# Altium PCB HYDRA_V4_POWER.PcbDoc (part 1 of 2)
Units mm, origin at the board's own origin, x right, y up, seen from the top; angles counter-clockwise.
Board outline 50.15 x 44.15 mm, 4 copper layers (Top Layer, GND+SIG, PWR+SIG, Bottom Layer), stack 1.586 mm thick; 220 components, 163 nets, 791 pads, 264 vias.
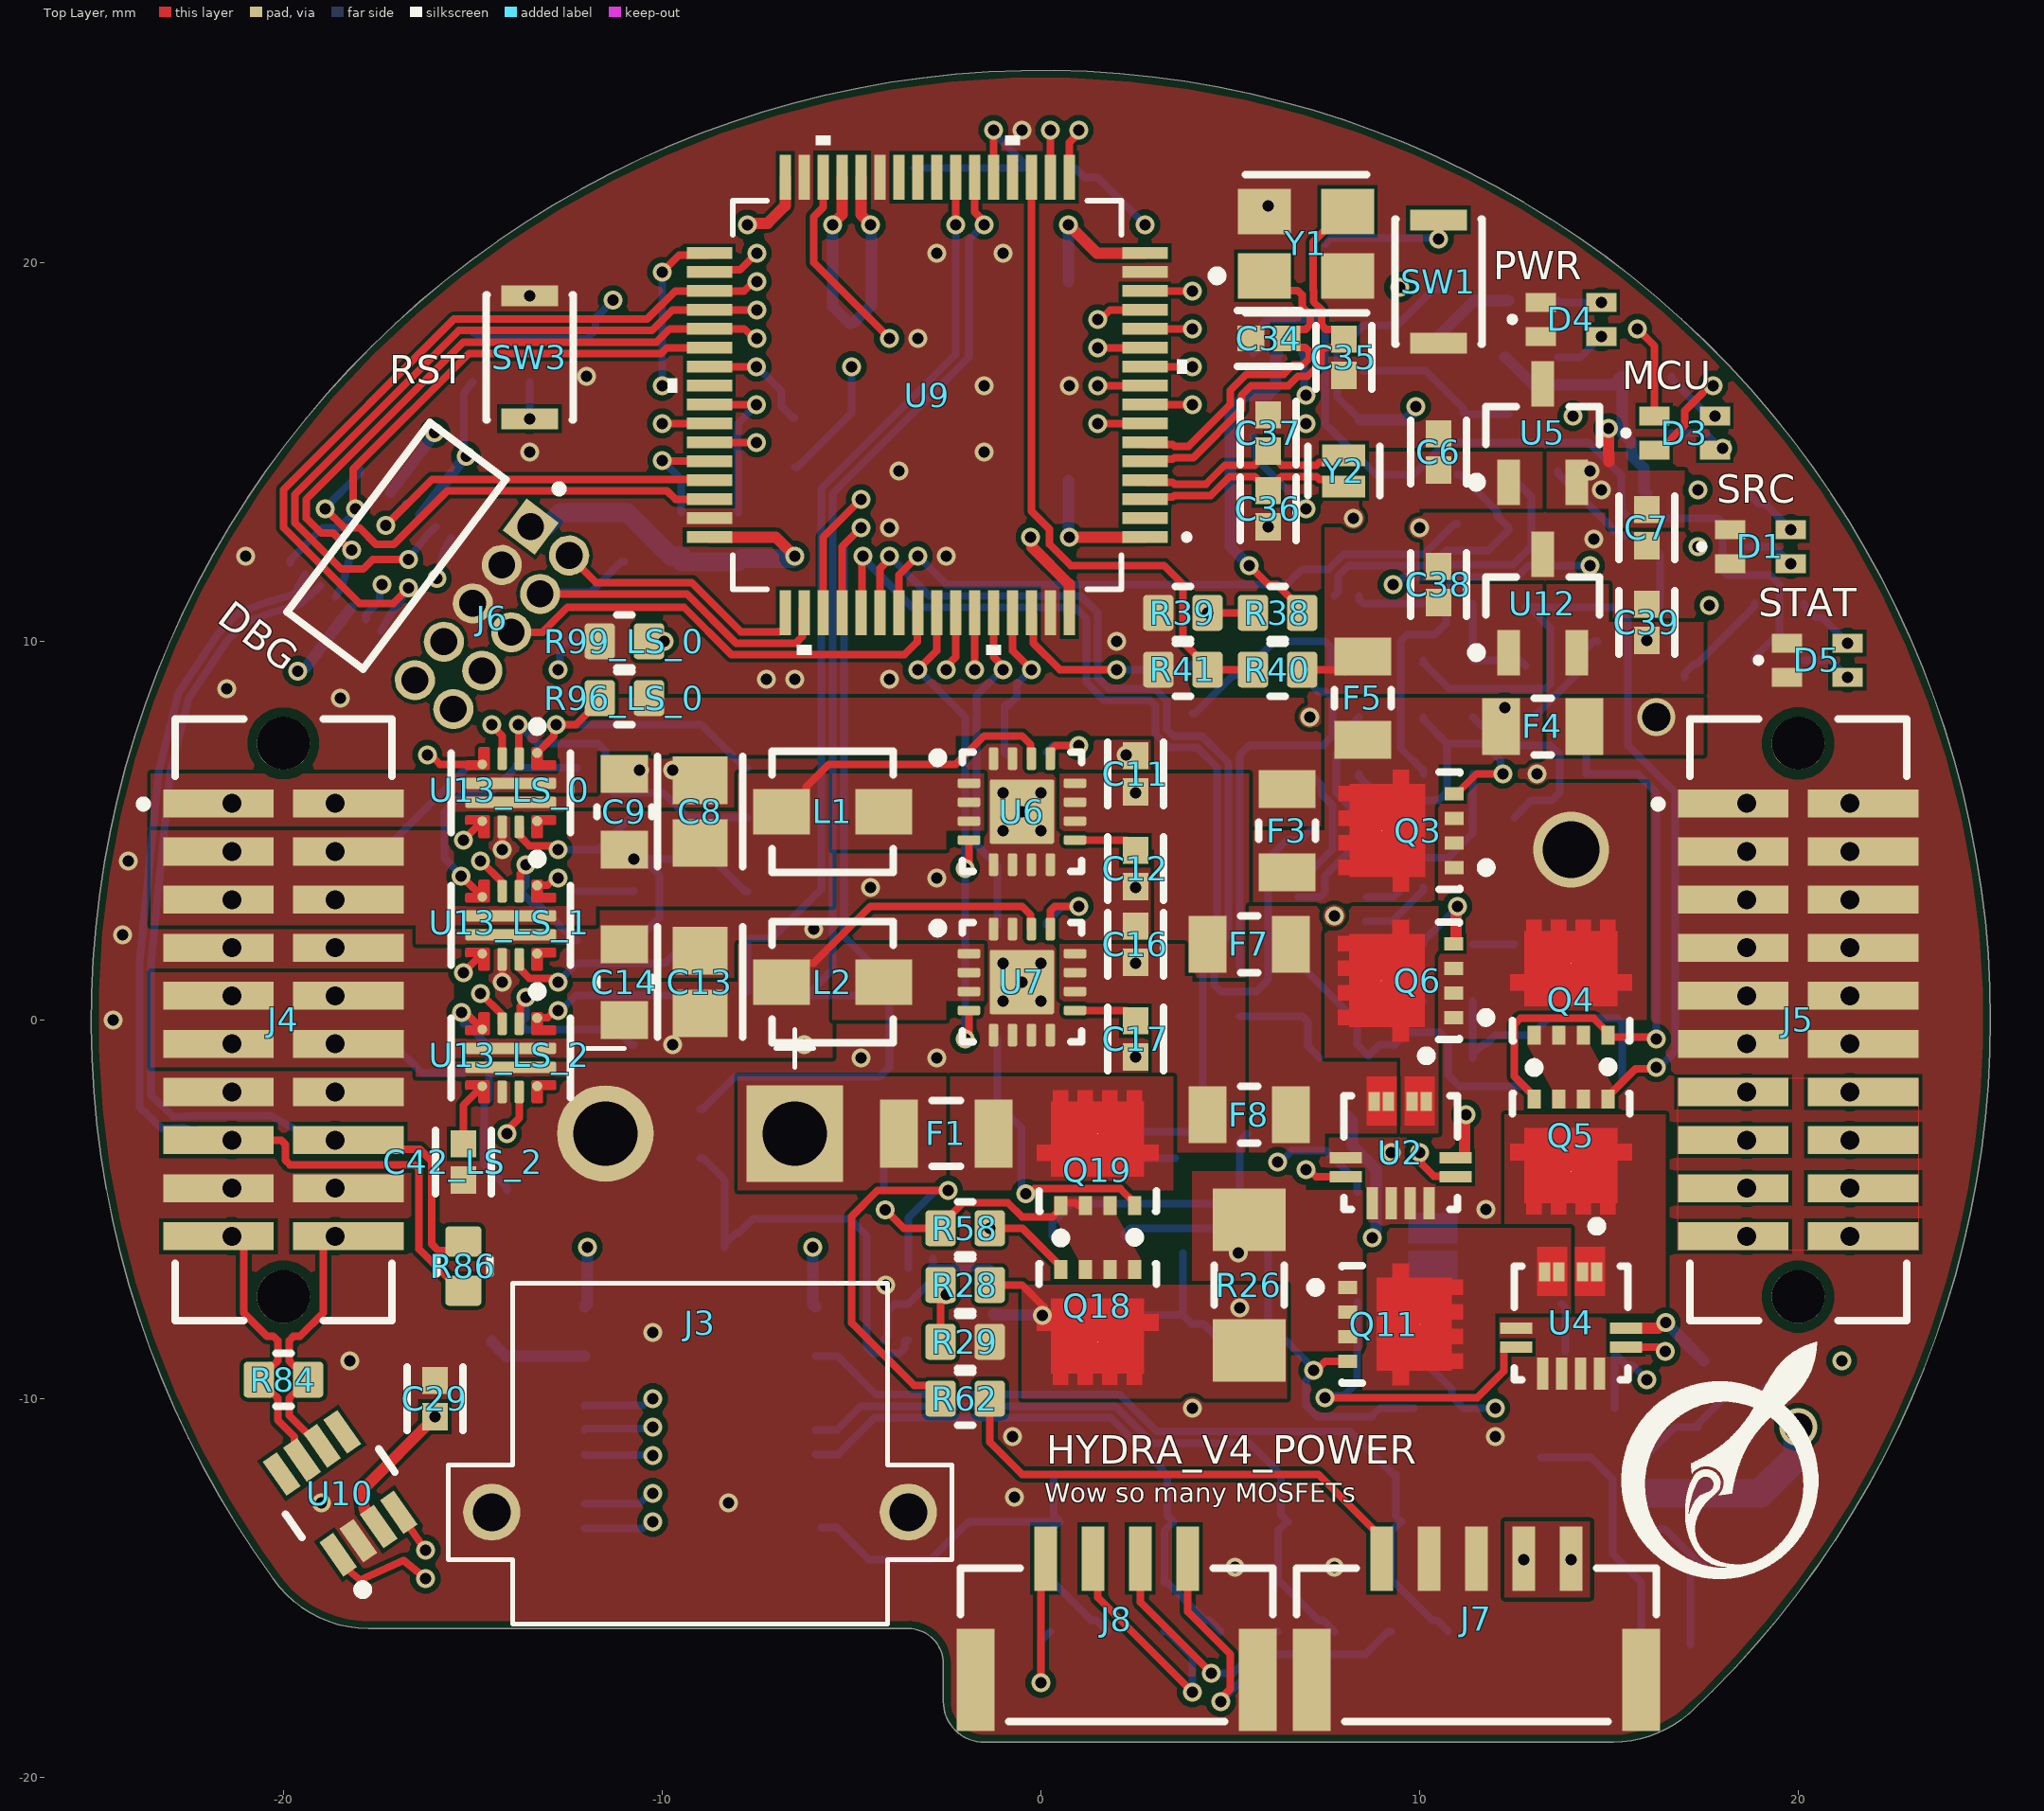
[diagram p0: Top Layer view]
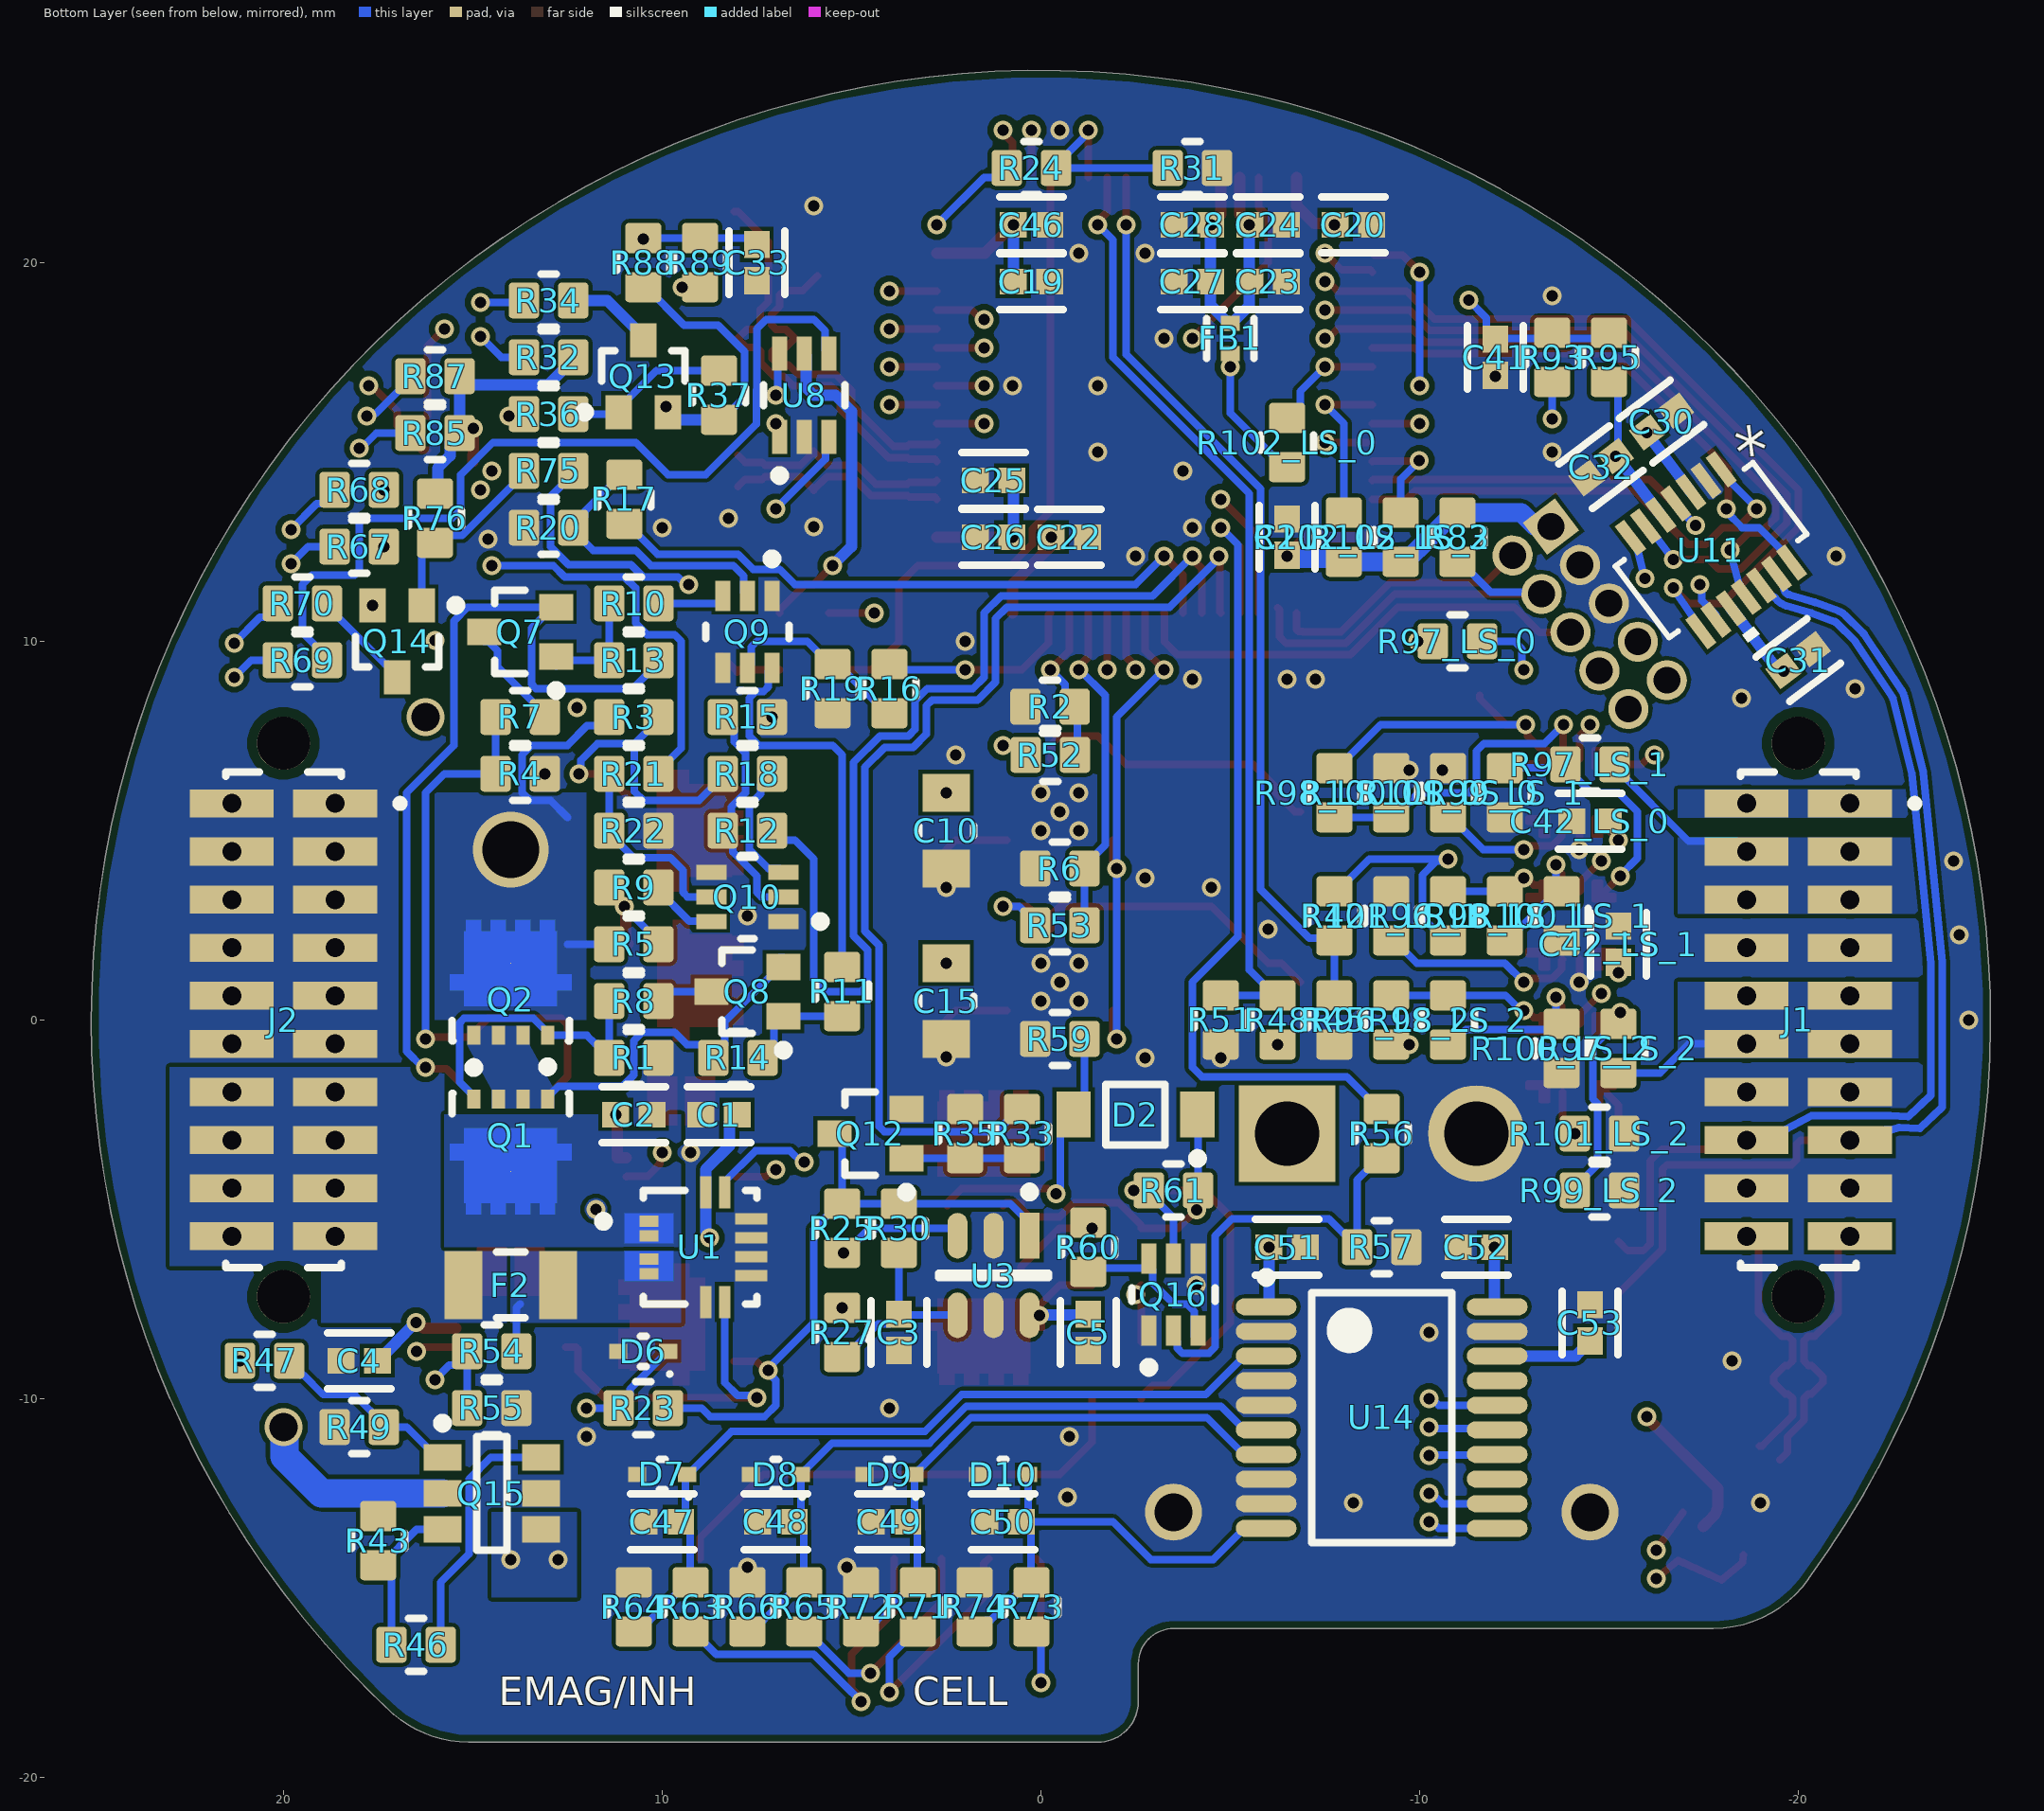
[diagram p1: Bottom Layer view, seen from below]
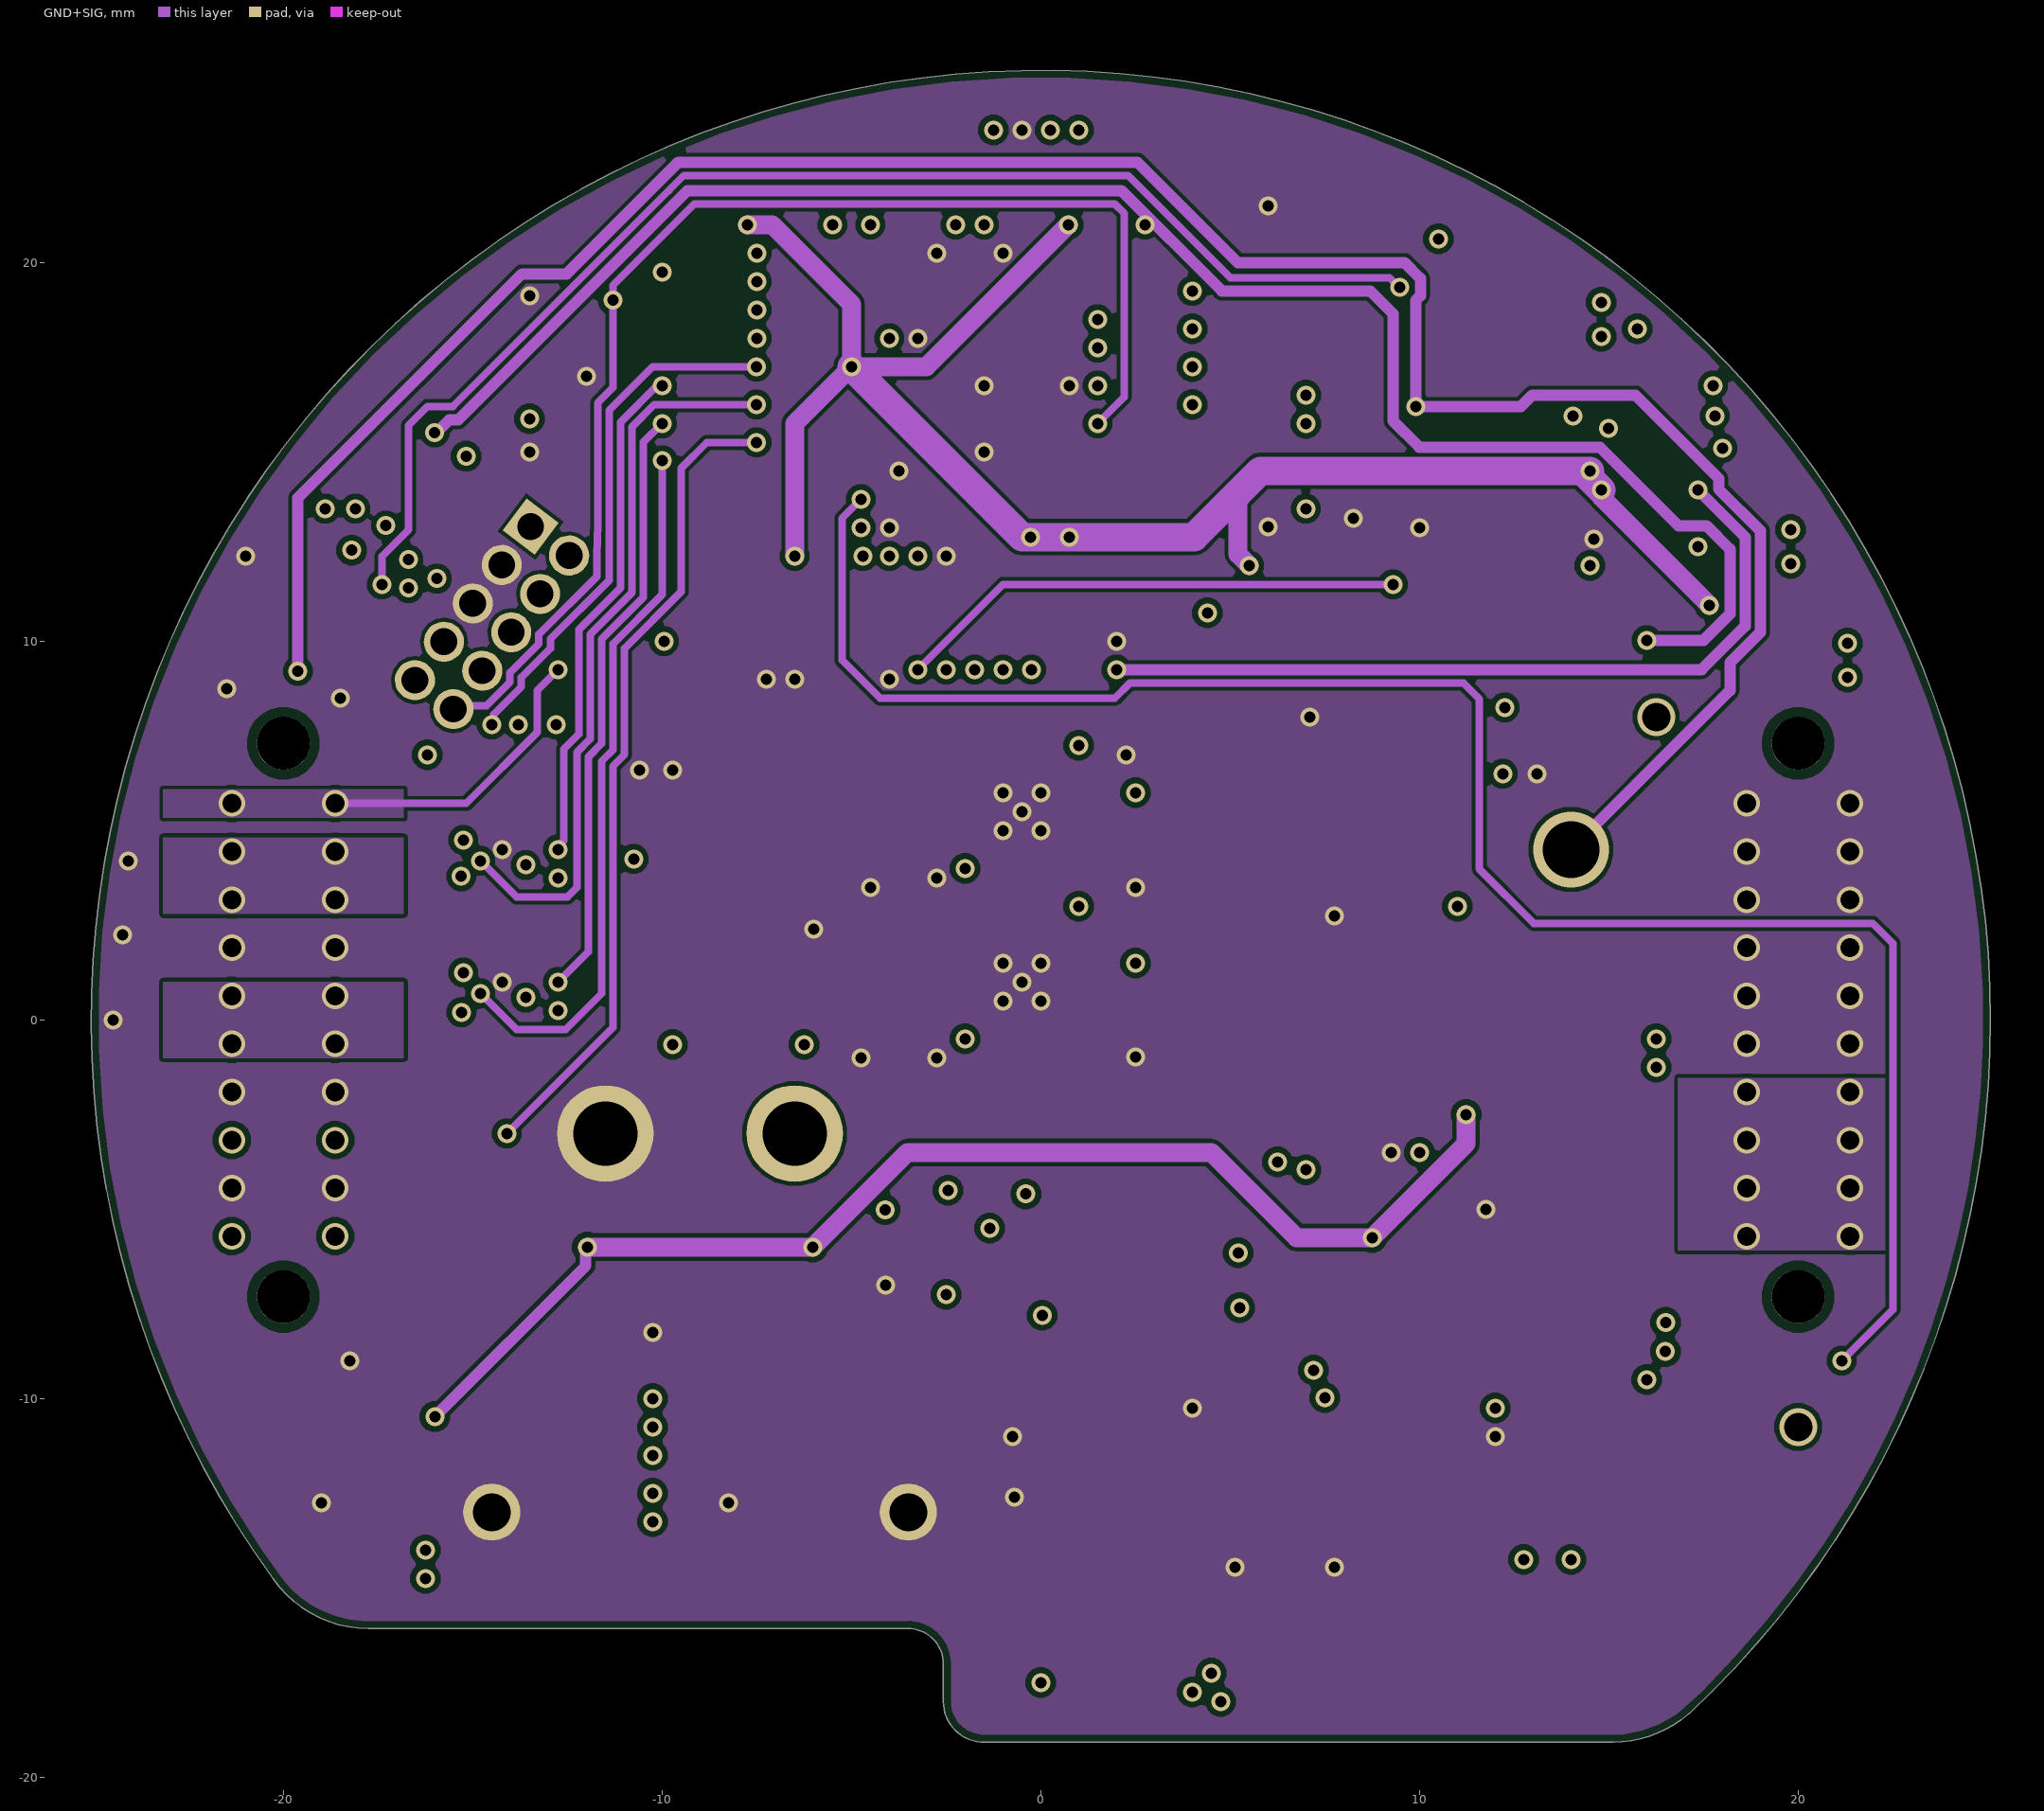
[diagram p2: GND+SIG]